# Altium PCB XTIDA-010086.PcbDoc (part 15 of 17) (continued)
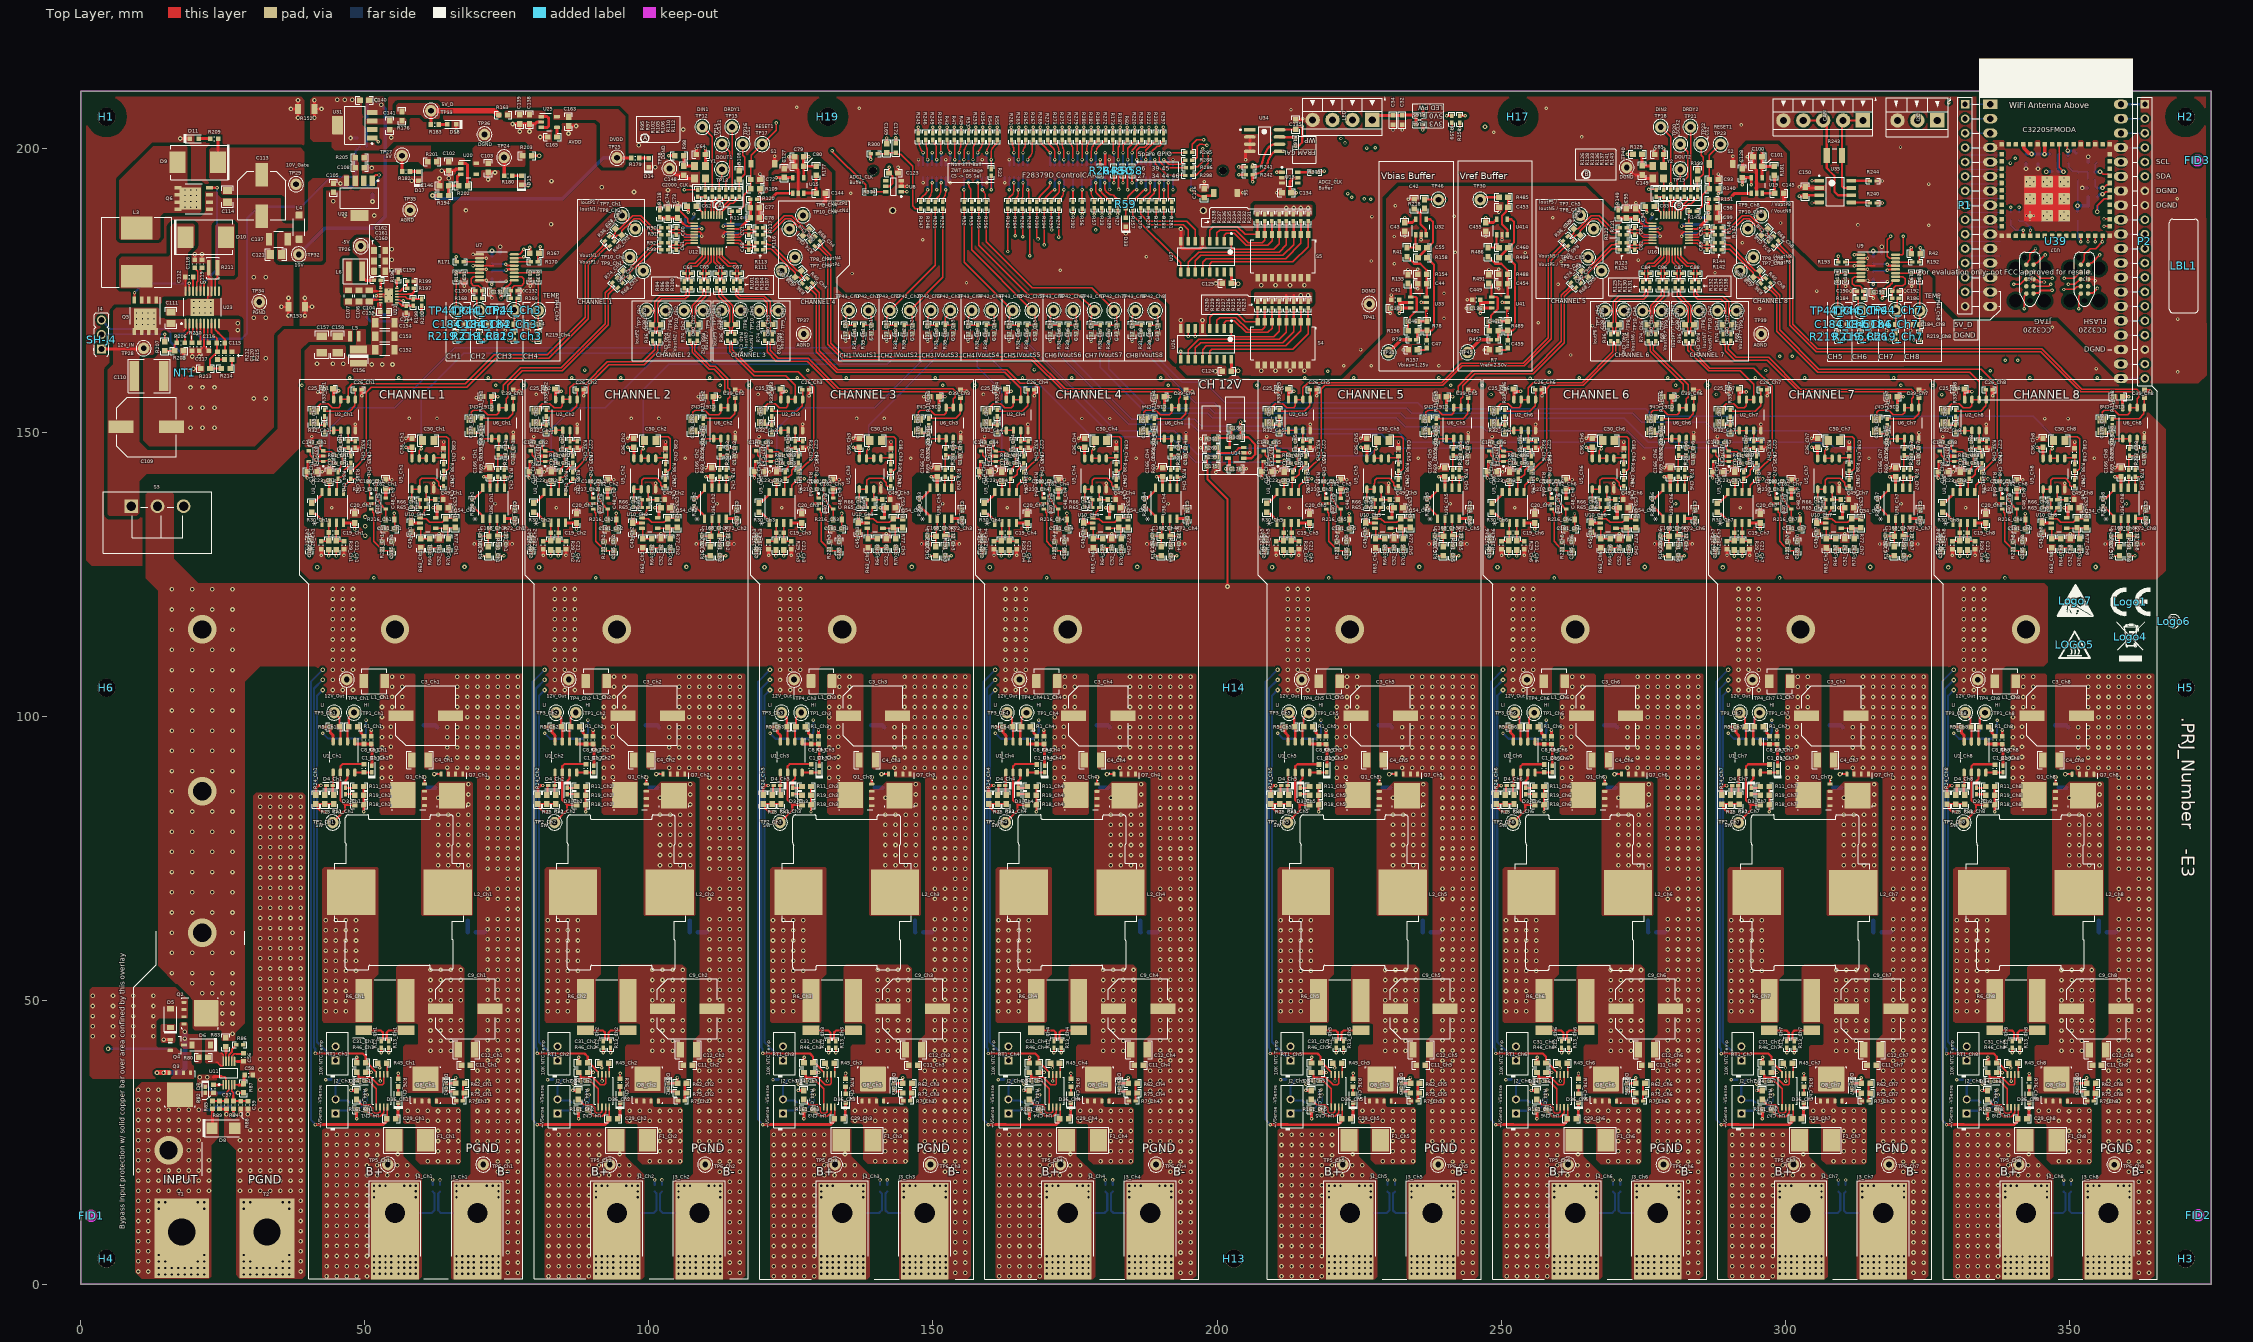
[diagram p0: Top Layer view]
## Nets (pads, with @x,y where several pads share a name; then routed paths per layer and width w, separated by ;. In a path a pad name is that pad's centre, name@x,y a point inside that pad or via, vN(x,y) a via of type N, cw(c..) or ccw(c..) an arc to the next point about the centre after c; other vN are vias at no path point) (continued)
TemP1: C184_Ch1.1 R159.1 R219_Ch1.2 TP44_Ch1.1 | length 9.3
  Top Layer w0.254: R219_Ch1.2@66.088,167.444 C184_Ch1.1@66.088,168.963 TP44_Ch1.1@66.088,171.388 R159.1@66.088,176.762
TemP2: C184_Ch2.1 R168.1 R219_Ch2.2 TP44_Ch2.1 | length 6.5
  Top Layer w0.254: R168.1@69.438,173.551 69.538,173.551 69.711,173.378 69.711,172.347 70.188,171.87 TP44_Ch2.1@70.188,171.388 C184_Ch2.1@70.188,168.963 R219_Ch2.2@70.188,167.444
TemP3: C184_Ch3.1 R169.1 R219_Ch3.2 TP44_Ch3.1 | length 6.4
  Top Layer w0.254: R219_Ch3.2@76.288,167.444 C184_Ch3.1@76.288,168.963 TP44_Ch3.1@76.288,171.463 76.615,171.79 76.615,173.378 76.788,173.551 R169.1@76.888,173.551
TemP4: C184_Ch4.1 R172.1 R219_Ch4.2 TP44_Ch4.1 | length 9.3
  Top Layer w0.254: R219_Ch4.2@80.515,167.444 C184_Ch4.1@80.515,168.963 TP44_Ch4.1@80.515,171.388 R172.1@80.515,176.762
TemP5: C184_Ch5.1 R174.1 R219_Ch5.2 TP44_Ch5.1 | length 9.3
  Top Layer w0.254: R219_Ch5.2@309.253,167.414 309.253,168.933 TP44_Ch5.1@309.253,171.358 R174.1@309.253,176.732
TemP6: C184_Ch6.1 R184.1 R219_Ch6.2 TP44_Ch6.1 | length 6.5
  Top Layer w0.254: R184.1@312.603,173.521 312.703,173.521 312.876,173.348 312.876,172.317 313.354,171.839 TP44_Ch6.1@313.354,171.358 C184_Ch6.1@313.354,168.933 R219_Ch6.2@313.354,167.414
TemP7: C184_Ch7.1 R186.1 R219_Ch7.2 TP44_Ch7.1 | length 6.4
  Top Layer w0.254: R219_Ch7.2@319.454,167.414 C184_Ch7.1@319.454,168.933 TP44_Ch7.1@319.454,171.433 319.781,171.76 319.781,173.348 319.954,173.521 R186.1@320.054,173.521
TemP8: C184_Ch8.1 R204.1 R219_Ch8.2 TP44_Ch8.1 | length 9.3
  Top Layer w0.254: R219_Ch8.2@323.681,167.414 C184_Ch8.1@323.681,168.933 TP44_Ch8.1@323.681,171.358 R204.1@323.681,176.732
UVLO: R188.1 R189.1 R206.1 R207.1 R208.2 U23.4 | length 67.5
  Top Layer w0.305: v2(20.399,167.344) U23.4@20.399,169.1
  Top Layer w0.381: R207.1@14.77,164.292 16.472,164.292 R208.2@16.485,164.28 16.485,165.297 R206.1@16.915,165.727 16.915,166.719 v2(16.891,166.743)
  Bottom Layer w0.381: v2(16.891,166.743) 17.491,167.344 v2(20.399,167.344) 21.33,166.413 28.313,166.413 29.261,167.361 29.261,187.579 31.344,189.662 38.773,189.662 44.005,194.894 R188.1@48.346,194.894 48.346,199.466 R189.1@49.108,200.228
"UVP: 10.4V": C59.2 R84.1 R88.2 U11.4 | length 5.6
  Top Layer w0.254: U11.4@26.543,35.13 26.543,33.959 26.831,33.672 26.831,33.274
  Top Layer w0.381: 26.831,33.274 26.831,32.241 28.134,32.241 R88.2@28.139,32.236 C59.2@29.396,32.236
V+_Ch1: R14_Ch1.1 R45_Ch1.2 R291_Ch1.2 | length 122.2
  Top Layer w0.254: R45_Ch1.2@52.261,38.923 52.281,38.923 52.629,38.575 v2(52.629,38.077) ; R291_Ch1.2@73.415,128.251 v2(74.481,128.251)
  Signal Layer 1 w0.254: v2(52.629,38.077) 52.561,38.145 52.022,38.145 51.88,38.287 50.947,38.287 49.098,36.437 49.098,33.668 49.47,33.296 50.365,33.296 v2(50.394,33.325) 50.568,33.499 54.505,33.499 57.433,36.427 57.433,84.064 59.355,85.986 59.355,96.357 62.013,99.014 62.013,115.327 72.999,126.313 72.999,127.869 73.381,128.251 v2(74.481,128.251)
  Bottom Layer w0.254: R14_Ch1.1@48.504,30.709 48.604,30.709 48.985,31.09 49.238,31.09 50.394,32.245 v2(50.394,33.325)
V+_Ch2: R14_Ch2.1 R45_Ch2.2 R291_Ch2.2 | length 122.2
  Top Layer w0.254: R45_Ch2.2@91.326,38.921 91.346,38.921 91.694,38.573 v2(91.694,38.075) ; R291_Ch2.2@112.48,128.249 v2(113.547,128.249)
  Signal Layer 1 w0.254: v2(91.694,38.075) 91.626,38.143 91.087,38.143 90.946,38.285 90.013,38.285 88.163,36.435 88.163,33.666 88.535,33.294 89.43,33.294 v2(89.459,33.323) 89.633,33.497 93.57,33.497 96.498,36.425 96.498,84.062 98.42,85.984 98.42,96.355 101.078,99.012 101.078,115.325 112.064,126.311 112.064,127.867 112.446,128.249 v2(113.547,128.249)
  Bottom Layer w0.254: R14_Ch2.1@87.57,30.707 87.67,30.707 88.051,31.088 88.303,31.088 89.459,32.243 v2(89.459,33.323)
V+_Ch3: R14_Ch3.1 R45_Ch3.2 R291_Ch3.2 | length 122.2
  Top Layer w0.254: R45_Ch3.2@131.001,38.919 131.021,38.919 131.369,38.571 v2(131.369,38.073) ; R291_Ch3.2@152.155,128.247 v2(153.221,128.247)
  Signal Layer 1 w0.254: v2(131.369,38.073) 131.301,38.141 130.762,38.141 130.62,38.283 129.687,38.283 127.838,36.433 127.838,33.664 128.21,33.292 129.105,33.292 v2(129.134,33.321) 129.308,33.495 133.245,33.495 136.173,36.423 136.173,84.06 138.095,85.982 138.095,96.353 140.753,99.01 140.753,115.323 151.739,126.309 151.739,127.865 152.121,128.247 v2(153.221,128.247)
  Bottom Layer w0.254: R14_Ch3.1@127.244,30.705 127.344,30.705 127.725,31.086 127.978,31.086 129.134,32.241 v2(129.134,33.321)
V+_Ch4: R14_Ch4.1 R45_Ch4.2 R291_Ch4.2 | length 122.2
  Top Layer w0.254: R45_Ch4.2@170.675,38.917 170.696,38.917 171.044,38.569 v2(171.044,38.071) ; R291_Ch4.2@191.83,128.245 v2(192.896,128.245)
  Signal Layer 1 w0.254: v2(171.044,38.071) 170.976,38.139 170.437,38.139 170.295,38.281 169.362,38.281 167.513,36.431 167.513,33.662 167.885,33.29 168.78,33.29 v2(168.808,33.319) 168.982,33.493 172.92,33.493 175.848,36.421 175.848,84.058 177.77,85.98 177.77,96.351 180.427,99.008 180.427,115.321 191.414,126.307 191.414,127.863 191.795,128.245 v2(192.896,128.245)
  Bottom Layer w0.254: R14_Ch4.1@166.919,30.703 167.019,30.703 167.4,31.084 167.653,31.084 168.808,32.239 v2(168.808,33.319)
V+_Ch5: R14_Ch5.1 R45_Ch5.2 R291_Ch5.2 | length 122.2
  Top Layer w0.254: R45_Ch5.2@220.35,38.915 220.37,38.915 220.718,38.567 v2(220.718,38.069) ; R291_Ch5.2@241.504,128.243 v2(242.571,128.243)
  Signal Layer 1 w0.254: v2(220.718,38.069) 220.65,38.137 220.112,38.137 219.97,38.279 219.037,38.279 217.188,36.429 217.188,33.66 217.56,33.288 218.455,33.288 v2(218.483,33.317) 218.657,33.491 222.595,33.491 225.523,36.419 225.523,84.056 227.445,85.978 227.445,96.349 230.102,99.006 230.102,115.319 241.088,126.305 241.088,127.861 241.47,128.243 v2(242.571,128.243)
  Bottom Layer w0.254: R14_Ch5.1@216.594,30.701 216.694,30.701 217.075,31.082 217.328,31.082 218.483,32.237 v2(218.483,33.317)
V+_Ch6: R14_Ch6.1 R45_Ch6.2 R291_Ch6.2 | length 122.2
  Top Layer w0.254: R45_Ch6.2@260.025,38.913 260.045,38.913 260.393,38.565 v2(260.393,38.067) ; R291_Ch6.2@281.179,128.241 v2(282.246,128.241)
  Signal Layer 1 w0.254: v2(260.393,38.067) 260.325,38.135 259.786,38.135 259.645,38.277 258.712,38.277 256.863,36.427 256.863,33.658 257.235,33.286 258.129,33.286 v2(258.158,33.315) 258.332,33.489 262.269,33.489 265.198,36.417 265.198,84.054 267.119,85.976 267.119,96.347 269.777,99.004 269.777,115.317 280.763,126.303 280.763,127.859 281.145,128.241 v2(282.246,128.241)
  Bottom Layer w0.254: R14_Ch6.1@256.269,30.699 256.369,30.699 256.75,31.08 257.002,31.08 258.158,32.235 v2(258.158,33.315)
V+_Ch7: R14_Ch7.1 R45_Ch7.2 R291_Ch7.2 | length 122.2
  Top Layer w0.254: R45_Ch7.2@299.7,38.911 299.72,38.911 300.068,38.563 v2(300.068,38.065) ; R291_Ch7.2@320.854,128.239 v2(321.921,128.239)
  Signal Layer 1 w0.254: v2(300.068,38.065) 300,38.133 299.461,38.133 299.32,38.275 298.387,38.275 296.537,36.425 296.537,33.656 296.909,33.284 297.804,33.284 v2(297.833,33.313) 298.007,33.487 301.944,33.487 304.872,36.415 304.872,84.052 306.794,85.974 306.794,96.345 309.452,99.002 309.452,115.315 320.438,126.301 320.438,127.857 320.82,128.239 v2(321.921,128.239)
  Bottom Layer w0.254: R14_Ch7.1@295.944,30.697 296.044,30.697 296.425,31.078 296.677,31.078 297.833,32.233 v2(297.833,33.313)
V+_Ch8: R14_Ch8.1 R45_Ch8.2 R291_Ch8.2 | length 122.2
  Top Layer w0.254: R45_Ch8.2@339.375,38.909 339.395,38.909 339.743,38.561 v2(339.743,38.063) ; R291_Ch8.2@360.529,128.237 v2(361.595,128.237)
  Signal Layer 1 w0.254: v2(339.743,38.063) 339.675,38.131 339.136,38.131 338.994,38.273 338.061,38.273 336.212,36.423 336.212,33.654 336.584,33.282 337.479,33.282 v2(337.508,33.311) 337.682,33.485 341.619,33.485 344.547,36.413 344.547,84.05 346.469,85.972 346.469,96.343 349.127,99 349.127,115.313 360.113,126.299 360.113,127.855 360.495,128.237 v2(361.595,128.237)
  Bottom Layer w0.254: R14_Ch8.1@335.618,30.695 335.718,30.695 336.099,31.076 336.352,31.076 337.508,32.231 v2(337.508,33.311)
V-_Ch1: R16_Ch1.2 R17_Ch1.1 | length 111.9
  Top Layer w0.254: v2(70.684,128.251) R16_Ch1.2@71.751,128.251
  Signal Layer 1 w0.254: v2(50.25,34.239) 50.454,34.036 54.283,34.036 56.896,36.649 56.896,84.277 58.877,86.258 58.877,96.698 61.505,99.326 61.505,115.537 70.529,124.561 72.492,126.523 72.492,127.762 72.003,128.251 v2(70.684,128.251)
  Bottom Layer w0.254: R17_Ch1.1@48.504,32.029 49.301,32.029 49.708,32.436 49.708,33.68 50.25,34.223 v2(50.25,34.239)
V-_Ch2: R16_Ch2.2 R17_Ch2.1 | length 111.9
  Top Layer w0.254: v2(109.75,128.249) R16_Ch2.2@110.816,128.249
  Signal Layer 1 w0.254: v2(89.316,34.237) 89.519,34.034 93.348,34.034 95.961,36.647 95.961,84.275 97.942,86.256 97.942,96.696 100.571,99.324 100.571,115.535 109.594,124.559 111.557,126.521 111.557,127.76 111.068,128.249 v2(109.75,128.249)
  Bottom Layer w0.254: R17_Ch2.1@87.57,32.027 88.367,32.027 88.773,32.434 88.773,33.678 89.316,34.221 v2(89.316,34.237)
V-_Ch3: R16_Ch3.2 R17_Ch3.1 | length 111.9
  Top Layer w0.254: v2(149.424,128.247) R16_Ch3.2@150.491,128.247
  Signal Layer 1 w0.254: v2(128.99,34.235) 129.194,34.032 133.023,34.032 135.636,36.645 135.636,84.273 137.617,86.254 137.617,96.694 140.245,99.322 140.245,115.533 149.269,124.557 151.232,126.519 151.232,127.758 150.743,128.247 v2(149.424,128.247)
  Bottom Layer w0.254: R17_Ch3.1@127.244,32.025 128.041,32.025 128.448,32.432 128.448,33.676 128.99,34.219 v2(128.99,34.235)
V-_Ch4: R16_Ch4.2 R17_Ch4.1 | length 111.9
  Top Layer w0.254: v2(189.099,128.245) R16_Ch4.2@190.166,128.245
  Signal Layer 1 w0.254: v2(168.665,34.233) 168.868,34.03 172.697,34.03 175.311,36.643 175.311,84.271 177.292,86.252 177.292,96.692 179.92,99.32 179.92,115.531 188.944,124.555 190.906,126.517 190.906,127.756 190.418,128.245 v2(189.099,128.245)
  Bottom Layer w0.254: R17_Ch4.1@166.919,32.023 167.716,32.023 168.123,32.43 168.123,33.674 168.665,34.217 v2(168.665,34.233)
V-_Ch5: R16_Ch5.2 R17_Ch5.1 | length 111.9
  Top Layer w0.254: v2(238.774,128.243) R16_Ch5.2@239.841,128.243
  Signal Layer 1 w0.254: v2(218.34,34.231) 218.543,34.028 222.372,34.028 224.986,36.641 224.986,84.269 226.967,86.25 226.967,96.69 229.595,99.318 229.595,115.529 238.619,124.553 240.581,126.515 240.581,127.754 240.092,128.243 v2(238.774,128.243)
  Bottom Layer w0.254: R17_Ch5.1@216.594,32.021 217.391,32.021 217.797,32.428 217.797,33.672 218.34,34.215 v2(218.34,34.231)
V-_Ch6: R16_Ch6.2 R17_Ch6.1 | length 111.9
  Top Layer w0.254: v2(278.449,128.241) R16_Ch6.2@279.515,128.241
  Signal Layer 1 w0.254: v2(258.015,34.229) 258.218,34.026 262.047,34.026 264.66,36.639 264.66,84.267 266.642,86.248 266.642,96.688 269.27,99.316 269.27,115.527 278.293,124.551 280.256,126.513 280.256,127.752 279.767,128.241 v2(278.449,128.241)
  Bottom Layer w0.254: R17_Ch6.1@256.269,32.019 257.066,32.019 257.472,32.426 257.472,33.67 258.015,34.213 v2(258.015,34.229)
V-_Ch7: R16_Ch7.2 R17_Ch7.1 | length 111.9
  Top Layer w0.254: v2(318.124,128.239) R16_Ch7.2@319.19,128.239
  Signal Layer 1 w0.254: v2(297.69,34.227) 297.893,34.024 301.722,34.024 304.335,36.637 304.335,84.265 306.316,86.246 306.316,96.686 308.945,99.314 308.945,115.525 317.968,124.549 319.931,126.511 319.931,127.75 319.442,128.239 v2(318.124,128.239)
  Bottom Layer w0.254: R17_Ch7.1@295.944,32.017 296.741,32.017 297.147,32.424 297.147,33.668 297.69,34.211 v2(297.69,34.227)
V-_Ch8: R16_Ch8.2 R17_Ch8.1 | length 111.9
  Top Layer w0.254: v2(357.798,128.237) R16_Ch8.2@358.865,128.237
  Signal Layer 1 w0.254: v2(337.364,34.225) 337.568,34.022 341.397,34.022 344.01,36.635 344.01,84.263 345.991,86.244 345.991,96.684 348.619,99.312 348.619,115.523 357.643,124.547 359.606,126.509 359.606,127.748 359.117,128.237 v2(357.798,128.237)
  Bottom Layer w0.254: R17_Ch8.1@335.618,32.015 336.415,32.015 336.822,32.422 336.822,33.666 337.364,34.209 v2(337.364,34.225)
Vbias_1_25: C181_Ch1.2 C181_Ch2.2 C181_Ch3.2 C181_Ch4.2 C181_Ch5.2 C181_Ch6.2 C181_Ch7.2 C181_Ch8.2 R73_Ch1.2 R73_Ch2.2 R73_Ch3.2 R73_Ch4.2 R73_Ch5.2 R73_Ch6.2 R73_Ch7.2 R73_Ch8.2 R79.2 R185_Ch1.2 R185_Ch2.2 R185_Ch3.2 R185_Ch4.2 R185_Ch5.2 R185_Ch6.2 R185_Ch7.2 R185_Ch8.2 R216_Ch1.1 R216_Ch2.1 R216_Ch3.1 R216_Ch4.1 R216_Ch5.1 R216_Ch6.1 R216_Ch7.1 R216_Ch8.1 R245.1 TP31.1 U3_Ch1.5 U3_Ch2.5 U3_Ch3.5 U3_Ch4.5 U3_Ch5.5 U3_Ch6.5 U3_Ch7.5 U3_Ch8.5 U36_Ch1.5 U36_Ch2.5 U36_Ch3.5 U36_Ch4.5 U36_Ch5.5 U36_Ch6.5 U36_Ch7.5 U36_Ch8.5 | length 960.3
  Top Layer w0.254: U3_Ch1.5@46.264,139.459 46.416,139.612 46.416,140.648 47.049,141.28 47.149,141.28 47.53,141.661 R185_Ch1.2@47.53,141.761 v2(48.596,141.761) ; v2(55.167,135.672) R216_Ch1.1@55.167,134.605 55.217,134.555 C181_Ch1.2@55.217,132.944 ; U36_Ch1.5@74.555,140.208 R73_Ch1.2@74.555,142.138 v2(75.622,142.138) ; U3_Ch2.5@85.329,139.457 85.481,139.61 85.481,140.646 86.114,141.278 86.214,141.278 86.595,141.659 R185_Ch2.2@86.595,141.759 v2(87.662,141.759) ; v2(94.232,135.67) R216_Ch2.1@94.232,134.603 94.282,134.553 C181_Ch2.2@94.282,132.942 ; U36_Ch2.5@113.62,140.206 R73_Ch2.2@113.62,142.136 v2(114.687,142.136) ; U3_Ch3.5@125.004,139.455 125.156,139.608 125.156,140.644 125.789,141.276 125.889,141.276 126.27,141.657 R185_Ch3.2@126.27,141.757 v2(127.336,141.757) ; v2(133.907,135.668) R216_Ch3.1@133.907,134.601 133.957,134.551 C181_Ch3.2@133.957,132.94 ; R245.1@147.437,202.606 v2(147.437,203.633) ; U36_Ch3.5@153.295,140.204 R73_Ch3.2@153.295,142.134 v2(154.362,142.134) ; U3_Ch4.5@164.678,139.453 164.831,139.606 164.831,140.642 165.463,141.274 165.563,141.274 165.944,141.655 R185_Ch4.2@165.944,141.755 v2(167.011,141.755) ; v2(173.582,135.666) R216_Ch4.1@173.582,134.599 173.632,134.549 C181_Ch4.2@173.632,132.938 ; U36_Ch4.5@192.97,140.202 R73_Ch4.2@192.97,142.132 v2(194.036,142.132) ; U3_Ch5.5@214.353,139.451 214.506,139.604 214.506,140.64 215.138,141.272 215.238,141.272 215.619,141.653 R185_Ch5.2@215.619,141.753 v2(216.686,141.753) ; v2(223.256,135.664) R216_Ch5.1@223.256,134.597 223.306,134.547 C181_Ch5.2@223.306,132.936 ; U36_Ch5.5@242.644,140.2 R73_Ch5.2@242.644,142.13 v2(243.711,142.13) ; U3_Ch6.5@254.028,139.449 254.18,139.602 254.18,140.638 254.813,141.27 254.913,141.27 255.294,141.651 R185_Ch6.2@255.294,141.751 ; R185_Ch6.2@255.294,141.701 v2(256.361,141.701) ; v2(262.931,135.662) R216_Ch6.1@262.931,134.595 262.981,134.545 C181_Ch6.2@262.981,132.934 ; U36_Ch6.5@282.319,140.198 R73_Ch6.2@282.319,142.128 v2(283.386,142.128) ; U3_Ch7.5@293.703,139.447 293.855,139.6 293.855,140.636 294.488,141.268 294.588,141.268 294.969,141.649 R185_Ch7.2@294.969,141.749 v2(296.036,141.749) ; v2(302.606,135.66) R216_Ch7.1@302.606,134.593 302.656,134.543 C181_Ch7.2@302.656,132.932 ; U36_Ch7.5@321.994,140.196 R73_Ch7.2@321.994,142.126 v2(323.061,142.126) ; U3_Ch8.5@333.378,139.445 333.53,139.598 333.53,140.634 334.163,141.266 334.263,141.266 334.644,141.647 R185_Ch8.2@334.644,141.747 v2(335.71,141.747) ; v2(342.281,135.658) R216_Ch8.1@342.281,134.591 342.331,134.541 C181_Ch8.2@342.331,132.93 ; U36_Ch8.5@361.669,140.194 R73_Ch8.2@361.669,142.124 v2(362.736,142.124)
  Top Layer w0.6: TP31.1@230.193,164.015 232.436,166.258 R79.2@233.894,166.258
  Signal Layer 1 w1: v2@47.346,159.537 55.989,159.537 v2(71.693,159.537) 95.054,159.537 110.726,159.537 150.63,159.537 150.64,159.547 150.65,159.537 v2(239.059,159.537) v2(279.367,159.537) v2(319.1,159.537) v2(343.103,159.537) v2(354.965,159.537)
  Signal Layer 2 w0.254: v2(47.346,159.551) 47.346,146.279 48.596,145.028 v2(48.596,141.761) ; v2(55.167,135.672) 55.989,136.494 v2(55.989,159.551) ; v2(71.693,159.537) 71.693,156.217 73.185,154.725 73.185,143.88 74.859,142.206 v2@75.553,142.206 ; v2(86.411,159.549) 86.411,146.277 87.662,145.026 v2(87.662,141.759) ; v2(94.232,135.67) 95.054,136.492 v2(95.054,159.549) ; v2(110.726,159.547) 110.726,156.247 112.25,154.723 112.25,143.878 113.924,142.204 v2@114.619,142.204 ; v2(126.086,159.547) 126.086,146.275 127.336,145.024 v2(127.336,141.757) ; v2(133.907,135.668) 134.729,136.49 v2(134.729,159.547) ; v2(150.401,159.545) 150.401,156.245 151.925,154.721 151.925,143.876 153.599,142.202 v2@154.293,142.202 ; v2(165.76,159.545) 165.76,146.273 167.011,145.022 v2(167.011,141.755) ; v2(173.582,135.666) 174.404,136.488 v2(174.404,159.545) ; v2(190.076,159.543) 190.076,156.243 191.6,154.719 191.6,143.874 193.274,142.2 v2@193.968,142.2 ; v2(215.435,159.543) 215.435,146.271 216.686,145.02 v2(216.686,141.753) ; v2(223.256,135.664) 224.079,136.486 v2(224.079,159.543) ; v2(239.059,159.537) 239.059,156.933 241.275,154.717 241.275,143.872 242.948,142.198 v2@243.643,142.198 ; v2(255.11,159.491) 255.11,146.219 256.361,144.968 v2(256.361,141.701) ; v2(262.931,135.662) 263.754,136.484 v2(263.754,159.541) ; v2@279.425,159.539 279.425,156.239 280.949,154.715 280.949,143.87 282.623,142.196 v2@283.318,142.196 ; v2(294.785,159.539) 294.785,146.267 296.036,145.016 v2(296.036,141.749) ; v2(302.606,135.66) 303.428,136.482 v2(303.428,159.539) ; v2(319.1,159.537) 319.1,156.237 320.624,154.713 320.624,143.868 322.298,142.194 v2@322.993,142.194 ; v2(334.46,159.537) 334.46,146.265 335.71,145.014 v2(335.71,141.747) ; v2(342.281,135.658) 343.103,136.48 v2(343.103,159.537) ; v2(354.965,159.537) 360.299,154.203 360.299,143.866 361.973,142.192 362.667,142.192 v2(362.736,142.124)
  Signal Layer 2 w0.381: v2(110.726,159.547) 115.633,164.455 119.674,164.455 141.376,186.157 141.376,197.572 142.267,198.462 v2(147.437,203.633)
  Signal Layer 2 w0.6: TP31.1@230.193,164.015 231.615,164.015 236.093,159.537 v2(239.059,159.537)
Vbias_1_25_1: C77.1 C78.1 R120.2 U12.14 | length 7.6
  Top Layer w0.254: U12.14@114.379,185.764 115.378,185.764
  Top Layer w0.381: 115.378,185.764 115.886,185.764 116.371,186.249
  Top Layer w0.508: 116.371,186.249 117.846,187.724 C78.1@117.846,187.757 C77.1@117.846,189.51 117.846,190.986 R120.2@117.869,191.008
Vbias_1_25_2: C98.1 C99.1 R151.2 R218.1 TP46.1 U16.14 | length 67.3
  Top Layer w0.254: U16.14@283.078,185.756 284.077,185.756
  Top Layer w0.381: R218.1@236.525,190.944 238.951,190.944 TP46.1@238.989,190.906 240.055,190.906 ; 284.077,185.756 284.585,185.756 285.07,186.241
  Top Layer w0.508: 285.07,186.241 286.546,187.716 C99.1@286.546,187.749 v2(286.546,188.625) C98.1@286.546,189.502 286.546,190.978 R151.2@286.568,191
  Signal Layer 2 w0.381: TP46.1@238.989,190.906 240.97,192.888 249.86,192.888 259.232,183.515 284.582,183.515 286.546,185.479 v2(286.546,188.625)
VinP: C169.1 C173.2 R247.1 R300.2 | length 15.9
  Top Layer w0.254: R300.2@140.256,199.007 141.726,199.007 C169.1@141.866,199.147 143.415,199.147 C173.2@143.466,199.197 143.739,198.924 144.306,198.924 146.402,196.828 146.402,189.804 146.884,189.322 R247.1@147.864,189.322
VoutN1: C40_Ch1.2 R74_Ch1.1 R92.1 TP10_Ch1.1 | length 12.2
  Top Layer w0.254: R74_Ch1.1@94.429,177.143 94.976,177.143 95.488,177.656 95.488,178.397 96.261,178.397 97.628,179.764 ; TP10_Ch1.1@96.623,180.77 97.628,179.764 ; R92.1@102.197,183.295 102.024,183.122 101.529,183.122 101.344,182.937 100.801,182.937 97.628,179.764
VoutN2: C40_Ch2.2 R74_Ch2.1 R99.1 TP10_Ch2.1 | length 11
  Top Layer w0.254: TP10_Ch2.1@106.189,171.366 107.586,171.366 ; R74_Ch2.1@107.203,167.25 107.589,167.637 107.589,168.362 C40_Ch2.2@107.066,168.886 107.612,169.432 107.612,172.229 109.516,174.133 109.516,174.947 R99.1@109.158,175.305
VoutN3: C40_Ch3.2 R74_Ch3.1 R104.1 TP10_Ch3.1 | length 15
  Top Layer w0.254: R104.1@114.892,175.305 115.247,174.949 115.247,174.113 115.937,173.424 120.103,173.424 120.83,172.696 120.83,171.366 ; TP10_Ch3.1@119.408,171.366 120.83,171.366 ; R74_Ch3.1@120.428,167.226 120.814,167.613 120.814,168.356 120.284,168.886 120.83,169.432 120.83,171.366
VoutN4: C40_Ch4.2 R74_Ch4.1 R116.1 TP10_Ch4.1 | length 13.2
  Top Layer w0.254: R116.1@120.151,184.757 120.509,185.115 121.547,185.115 124.005,187.573 124.967,187.573 125.753,186.786 ; TP10_Ch4.1@124.748,185.781 125.753,186.786 ; C40_Ch4.2@127.111,184.636 127.852,184.636 128.365,184.123 R74_Ch4.1@128.365,183.576 ; C40_Ch4.2@127.121,184.646 127.121,185.418 125.753,186.786
VoutN5: C40_Ch5.2 R74_Ch5.1 R123.1 TP10_Ch5.1 | length 12.2
  Top Layer w0.254: R74_Ch5.1@263.128,177.135 263.675,177.135 264.188,177.648 C40_Ch5.2@264.188,178.389 264.96,178.389 266.328,179.756 ; TP10_Ch5.1@265.322,180.762 266.328,179.756 ; R123.1@270.896,183.287 270.723,183.114 270.228,183.114 270.043,182.929 269.5,182.929 266.328,179.756
VoutN6: C40_Ch6.2 R74_Ch6.1 R130.1 TP10_Ch6.1 | length 11
  Top Layer w0.254: TP10_Ch6.1@274.888,171.358 276.285,171.358 ; R74_Ch6.1@275.902,167.242 276.289,167.629 276.289,168.354 275.892,168.751 C40_Ch6.2@275.765,168.878 276.311,169.424 276.311,172.221 278.215,174.125 278.215,174.939 R130.1@277.857,175.297
VoutN7: C40_Ch7.2 R74_Ch7.1 R135.1 TP10_Ch7.1 | length 15
  Top Layer w0.254: R135.1@283.591,175.297 283.947,174.941 283.947,174.105 284.636,173.416 288.802,173.416 289.53,172.688 289.53,171.358 ; TP10_Ch7.1@288.107,171.358 289.53,171.358 ; R74_Ch7.1@289.12,167.242 289.507,167.629 289.507,168.354 289.111,168.751 C40_Ch7.2@288.984,168.878 289.53,169.424 289.53,171.358
VoutN8: C40_Ch8.2 R74_Ch8.1 R147.1 TP10_Ch8.1 | length 13.2
  Top Layer w0.254: R147.1@288.85,184.749 289.208,185.107 290.246,185.107 292.709,187.569 293.656,187.569 294.443,186.782 ; TP10_Ch8.1@293.437,185.777 TP10_Ch8.1@293.447,185.787 294.443,186.782 ; C40_Ch8.2@295.8,184.632 296.541,184.632 297.054,184.12 R74_Ch8.1@297.054,183.572 ; C40_Ch8.2@295.81,184.642 295.81,185.415 294.443,186.782
VoutP1: C40_Ch1.1 R68_Ch1.2 R93.1 TP9_Ch1.1 | length 11.6
  Top Layer w0.254: R68_Ch1.2@95.335,176.237 95.335,176.784 95.816,177.265 96.62,177.265 96.62,178.037 97.978,179.396 ; TP9_Ch1.1@98.993,178.399 97.997,179.396 97.978,179.396 ; R93.1@102.197,182.071 102.032,182.235 100.818,182.235 97.978,179.396
VoutP2: C40_Ch2.1 R68_Ch2.2 R100.1 TP9_Ch2.1 | length 11
  Top Layer w0.254: R68_Ch2.2@108.484,167.25 108.097,167.637 108.097,168.317 C40_Ch2.1@108.666,168.886 108.12,169.432 108.12,171.366 ; TP9_Ch2.1@109.542,171.366 108.12,171.366 ; R100.1@110.382,175.305 110.024,174.947 110.024,173.923 108.12,172.018 108.12,171.366
VoutP3: C40_Ch3.1 R68_Ch3.2 R107.1 TP9_Ch3.1 | length 15
  Top Layer w0.254: R107.1@116.111,175.305 115.755,174.949 115.755,174.324 116.148,173.932 120.314,173.932 121.338,172.907 121.338,169.432 121.884,168.886 121.322,168.324 121.322,167.613 R68_Ch3.2@121.709,167.226 ; 121.364,171.366 TP9_Ch3.1@122.761,171.366
VoutP4: C40_Ch4.1 R68_Ch4.2 R117.1 TP9_Ch4.1 | length 13.7
  Top Layer w0.254: R117.1@120.151,185.981 120.509,185.623 121.337,185.623 123.795,188.081 125.177,188.081 126.122,187.136 ; TP9_Ch4.1@127.118,188.151 TP9_Ch4.1@127.108,188.141 126.122,187.155 126.122,187.136 ; C40_Ch4.1@128.243,185.768 128.243,184.964 128.724,184.483 R68_Ch4.2@129.271,184.483 ; C40_Ch4.1@128.253,185.778 127.48,185.778 126.122,187.136
VoutP5: C40_Ch5.1 R68_Ch5.2 R124.1 TP9_Ch5.1 | length 11.6
  Top Layer w0.254: R68_Ch5.2@264.034,176.229 264.034,176.776 264.515,177.257 C40_Ch5.1@265.319,177.257 265.319,178.029 266.677,179.388 ; TP9_Ch5.1@267.693,178.391 266.696,179.388 266.677,179.388 ; R124.1@270.896,182.063 270.732,182.227 269.517,182.227 266.677,179.388
VoutP6: C40_Ch6.1 R68_Ch6.2 R131.1 TP9_Ch6.1 | length 11.1
  Top Layer w0.254: R68_Ch6.2@277.183,167.242 276.797,167.629 276.797,168.309 C40_Ch6.1@277.365,168.878 276.819,169.424 276.819,171.358 ; TP9_Ch6.1@278.241,171.358 276.819,171.358 ; R131.1@279.081,175.297 278.723,174.939 278.723,173.915 276.819,172.011 276.819,171.358
  Bottom Layer w0.254: TP9_Ch6.1@278.241,171.358 TP9_Ch6.1@278.305,171.295
VoutP7: C40_Ch7.1 R68_Ch7.2 R138.1 TP9_Ch7.1 | length 15
  Top Layer w0.254: R138.1@284.81,175.297 284.455,174.941 284.455,174.316 284.847,173.924 289.013,173.924 290.038,172.899 290.038,169.424 C40_Ch7.1@290.584,168.878 290.015,168.309 290.015,167.629 R68_Ch7.2@290.402,167.242 ; 290.063,171.358 TP9_Ch7.1@291.46,171.358
  Bottom Layer w0.254: TP9_Ch7.1@291.46,171.358 TP9_Ch7.1@291.467,171.351 TP9_Ch7.1@291.474,171.344
VoutP8: C40_Ch8.1 R68_Ch8.2 R148.1 TP9_Ch8.1 | length 13.7
  Top Layer w0.254: R148.1@288.85,185.973 289.208,185.615 290.036,185.615 292.498,188.077 293.866,188.077 294.811,187.132 ; TP9_Ch8.1@295.808,188.147 294.811,187.151 294.811,187.132 ; C40_Ch8.1@296.932,185.764 296.932,184.96 297.413,184.479 R68_Ch8.2@297.96,184.479 ; C40_Ch8.1@296.942,185.774 296.17,185.774 294.811,187.132
VoutS1: C37_Ch1.2 R39_Ch1.2 R250.1 TP42_Ch1.1 | length 42.7
  Top Layer w0.254: R39_Ch1.2@137.77,168.811 C37_Ch1.2@139.174,168.811 139.174,170.414 138.675,170.913 TP42_Ch1.1@138.675,171.394 ; R250.1@151.218,202.606 v2(151.218,203.633)
  Signal Layer 2 w0.254: TP42_Ch1.1@138.675,171.394 146.66,179.378 146.66,199.075 v2(151.218,203.633)
VoutS2: C37_Ch2.2 R39_Ch2.2 R252.1 TP42_Ch2.1 | length 24.5
  Top Layer w0.254: R39_Ch2.2@144.971,168.811 C37_Ch2.2@146.376,168.811 146.376,170.414 145.877,170.913 TP42_Ch2.1@145.877,171.394 151.693,177.21 R252.1@151.693,189.322
VoutS3: C37_Ch3.2 R39_Ch3.2 R47.1 TP42_Ch3.1 | length 39.2
  Top Layer w0.254: TP42_Ch3.1@153.079,171.394 153.079,171.02 152.191,170.133 152.191,168.829 R39_Ch3.2@152.173,168.811 C37_Ch3.2@153.577,168.811 ; R47.1@153.738,202.606 v2(153.738,203.633)
  Signal Layer 2 w0.254: TP42_Ch3.1@153.079,171.394 153.079,192.844 152.197,193.726 152.197,195.676 151.451,196.422 151.451,198.134 152.251,198.934 152.251,202.146 v2(153.738,203.633)
VoutS4: C37_Ch4.2 R39_Ch4.2 R51.1 TP42_Ch4.1 | length 39.8
  Top Layer w0.254: R51.1@156.258,202.606 v2(156.258,203.633) ; R39_Ch4.2@159.375,168.811 C37_Ch4.2@160.779,168.811 160.779,170.414 160.28,170.913 TP42_Ch4.1@160.28,171.394
  Signal Layer 2 w0.254: v2(156.258,203.633) 155.473,202.848 155.473,198.911 156.25,198.134 156.25,197.064 157.05,196.264 157.05,192.327 160.28,189.097 TP42_Ch4.1@160.28,171.394
VoutS5: C37_Ch5.2 R39_Ch5.2 R53.1 TP42_Ch5.1 | length 26.5
  Top Layer w0.254: R53.1@156.797,189.322 156.797,182.079 TP42_Ch5.1@167.482,171.394 167.482,170.913 167.981,170.414 C37_Ch5.2@167.981,168.811 R39_Ch5.2@166.576,168.811
VoutS6: C37_Ch6.2 R39_Ch6.2 R254.1 TP42_Ch6.1 | length 44
  Top Layer w0.254: R254.1@158.778,202.606 v2(158.778,203.633) ; R39_Ch6.2@173.778,168.839 175.182,168.839 175.182,170.442 174.684,170.941 TP42_Ch6.1@174.684,171.394 TP42_Ch6.1@174.684,171.422
  Signal Layer 2 w0.254: v2@158.65,203.505 158.65,202.717 161.893,199.474 161.893,193.097 174.684,180.307 TP42_Ch6.1@174.684,171.394
VoutS7: C37_Ch7.2 R39_Ch7.2 R256.1 TP42_Ch7.1 | length 37.6
  Top Layer w0.254: R256.1@159.349,189.322 159.349,183.494 167.481,175.362 177.946,175.362 181.886,171.422 TP42_Ch7.1@181.886,171.394 181.886,170.941 182.384,170.442 182.384,168.839 R39_Ch7.2@180.98,168.839
VoutS8: C37_Ch8.2 R39_Ch8.2 R55.1 TP42_Ch8.1 | length 51.4
  Top Layer w0.254: R55.1@161.299,202.606 v2(161.299,203.633) ; R39_Ch8.2@188.181,168.839 189.586,168.839 189.586,170.442 189.087,170.941 TP42_Ch8.1@189.087,171.394 TP42_Ch8.1@189.087,171.422
  Signal Layer 2 w0.254: v2(161.299,203.633) 161.299,202.359 162.616,201.041 166.751,201.041 169.291,198.501 169.291,191.19 TP42_Ch8.1@189.087,171.394